# Altium PCB PCB1.PcbDoc (part 1 of 2)
Units mm, origin at the board's own origin, x right, y up, seen from the top; angles counter-clockwise.
Board outline 129.41 x 66.42 mm, 4 copper layers (Top Layer, gnd, pgnd, Bottom Layer), stack 0.603 mm thick; 116 components, 94 nets, 393 pads, 106 vias.
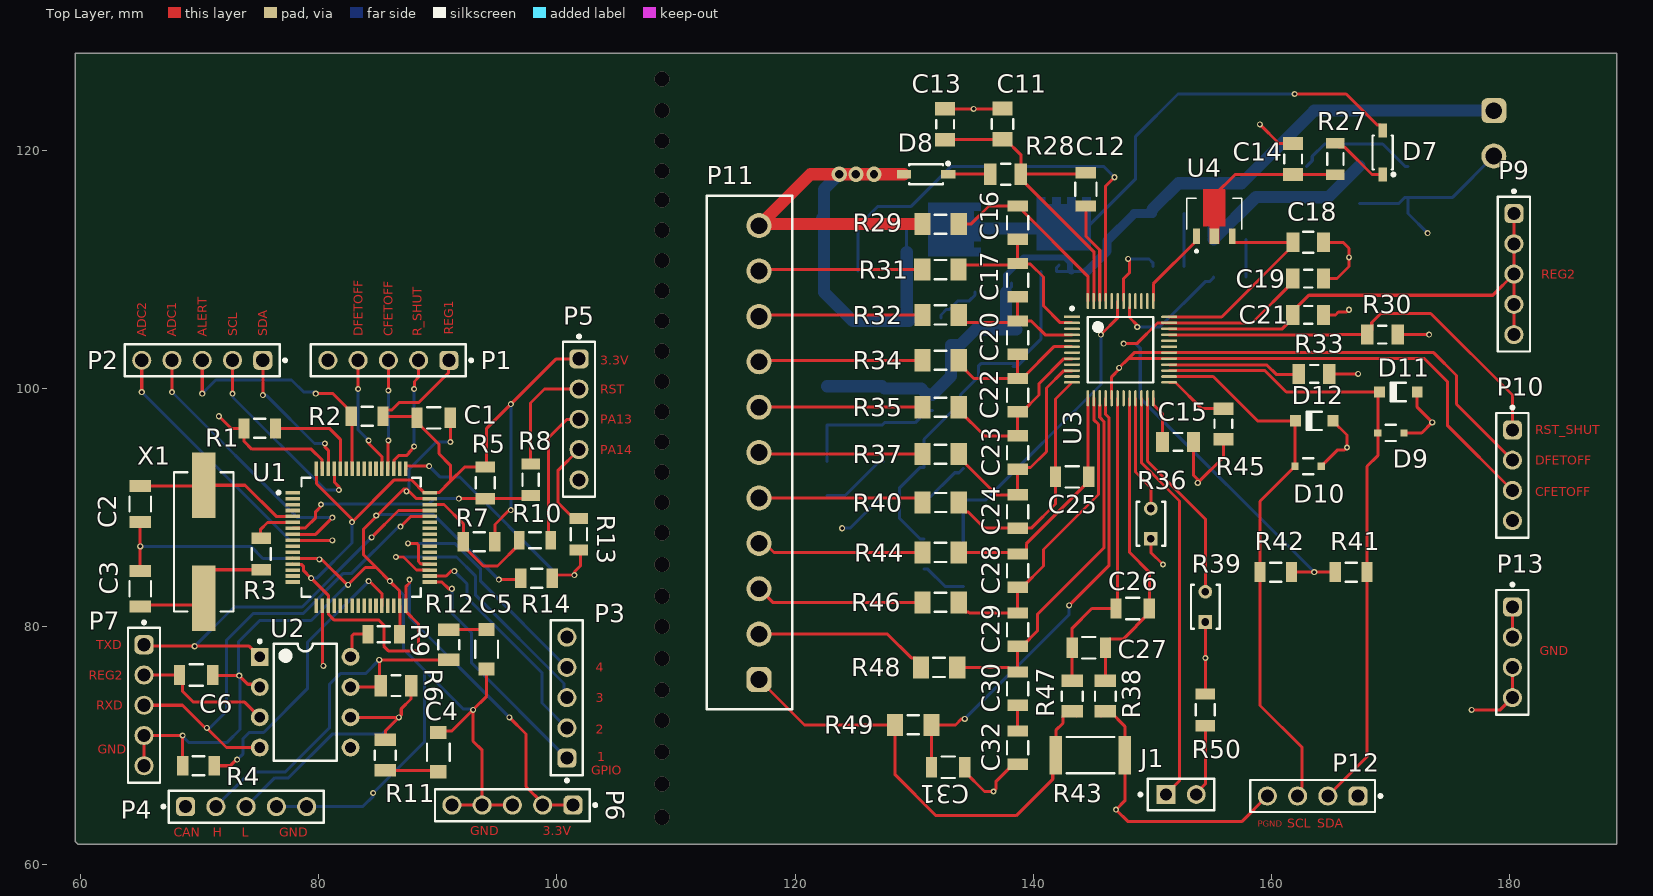
[diagram p0: Top Layer view]
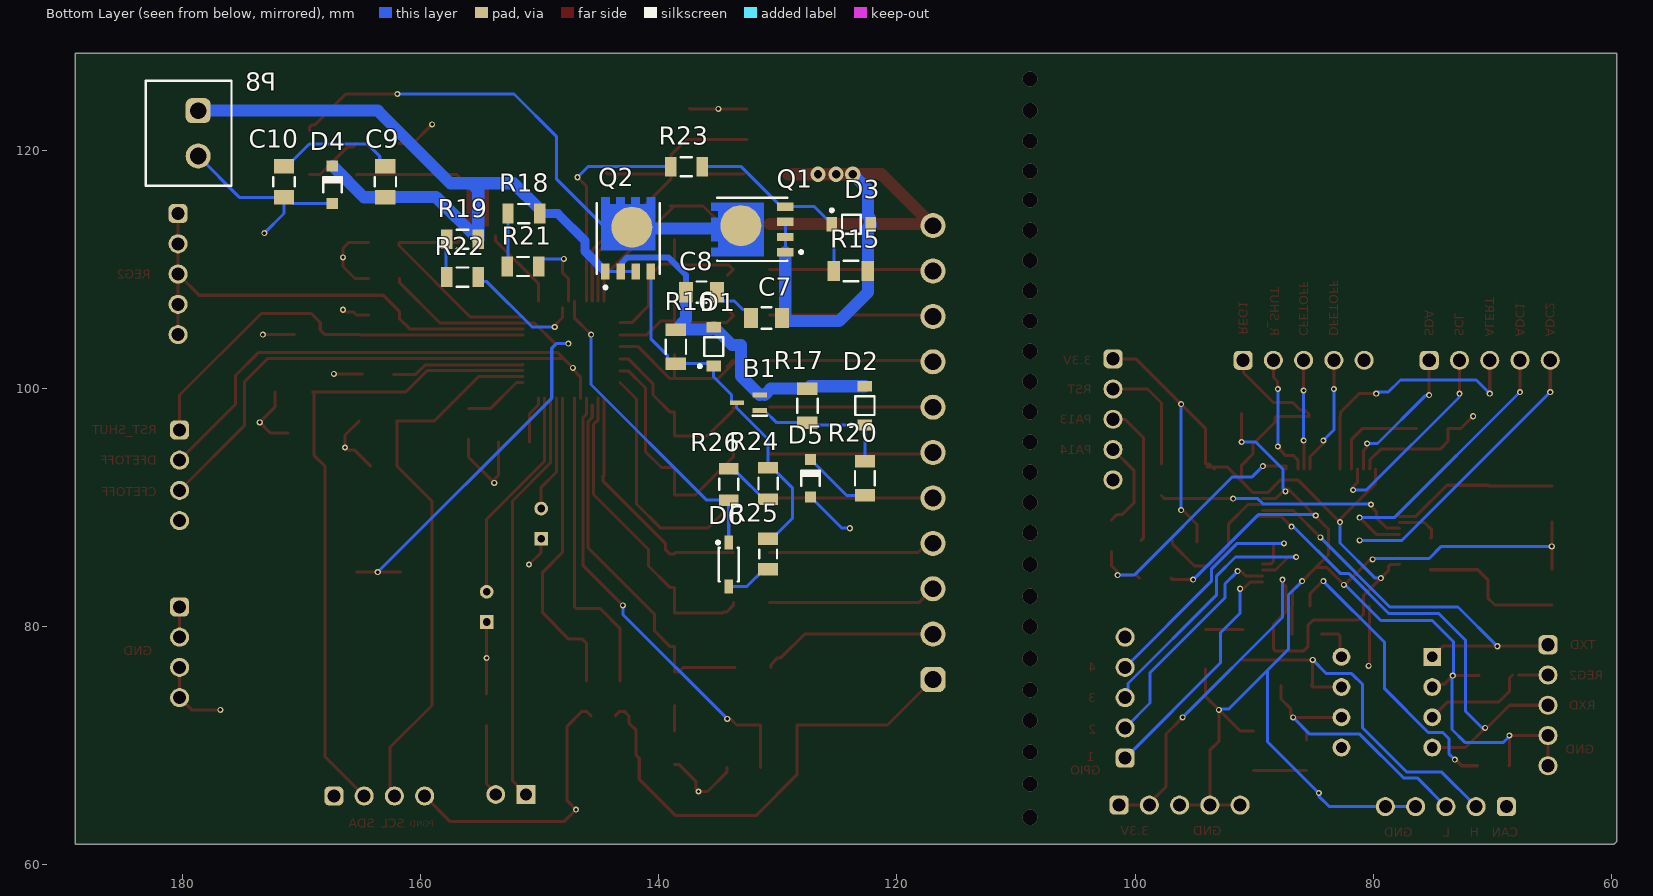
[diagram p1: Bottom Layer view, seen from below]
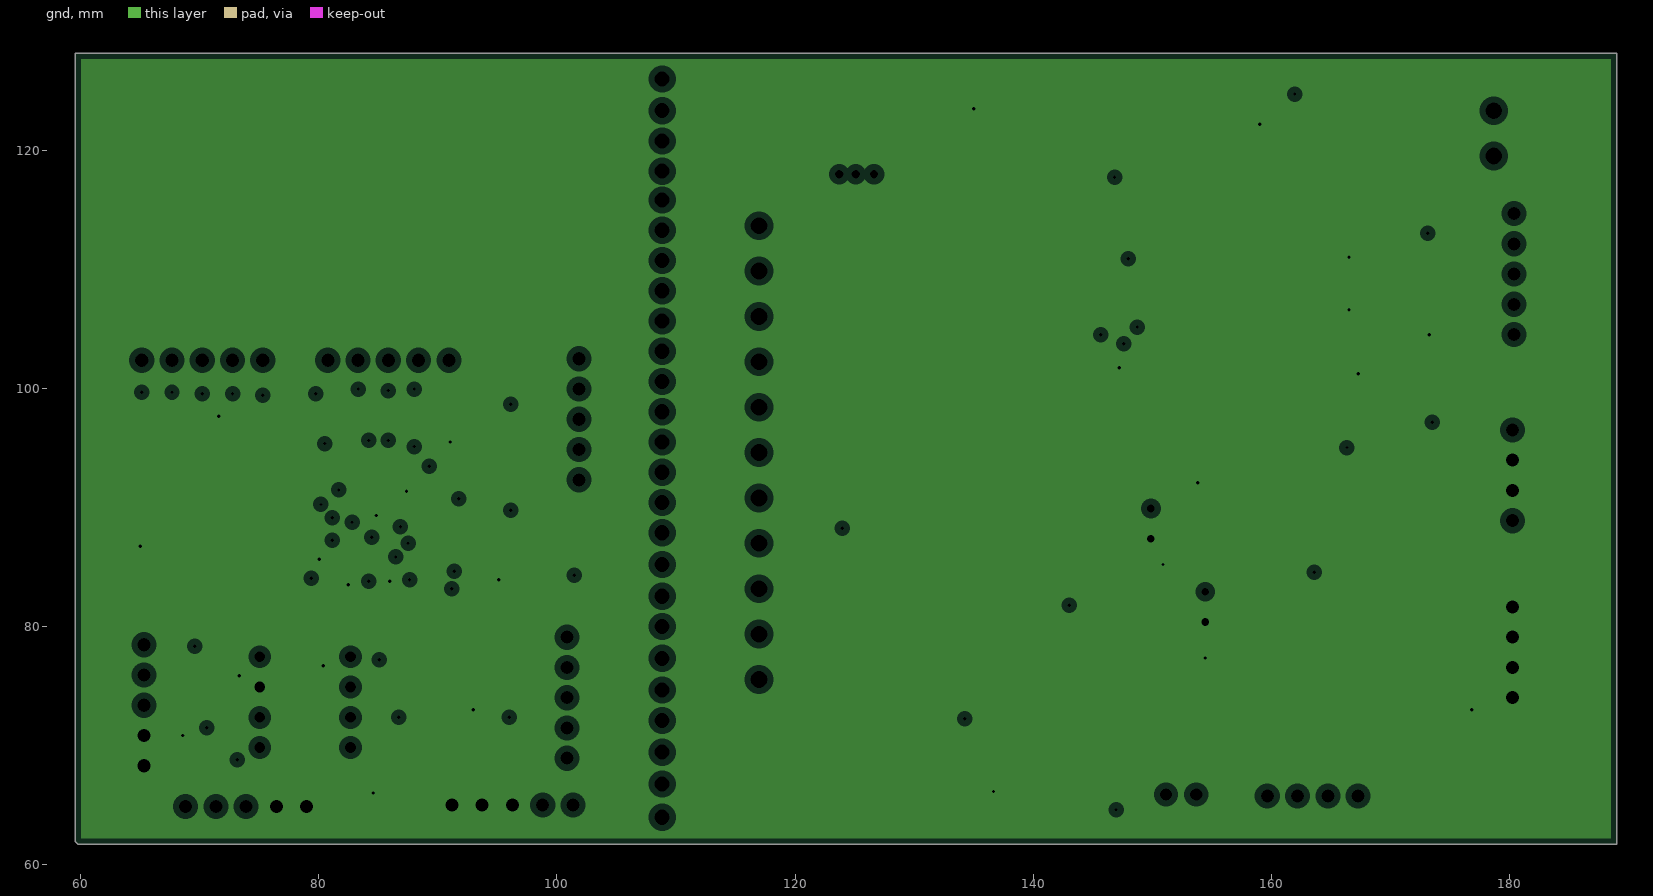
[diagram p2: gnd, clearances drawn from the general rule]
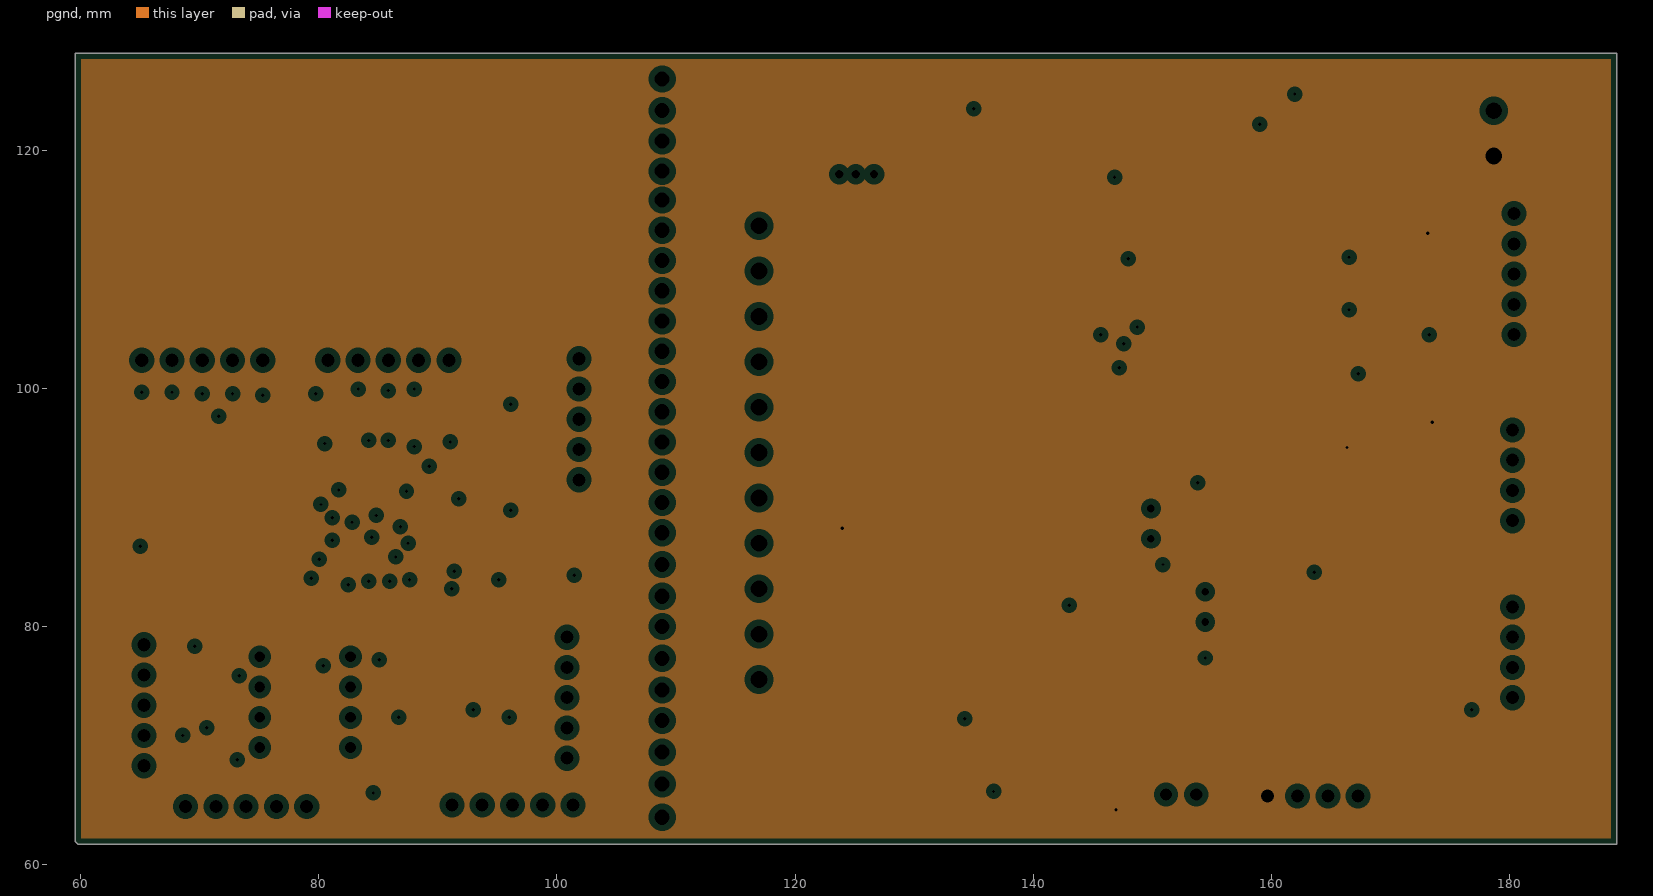
[diagram p3: pgnd, clearances drawn from the general rule]
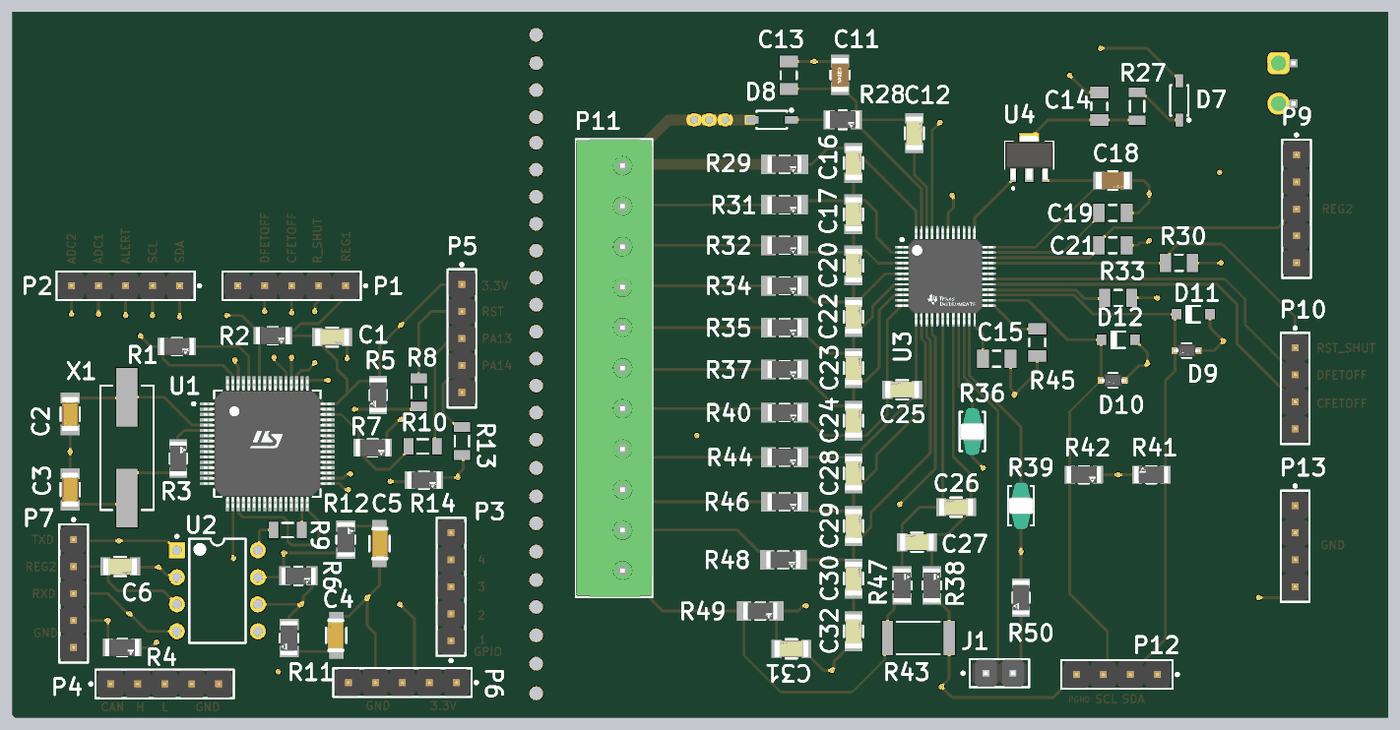
[diagram p5: 3D render of the assembled board from above, using the file's embedded part models]
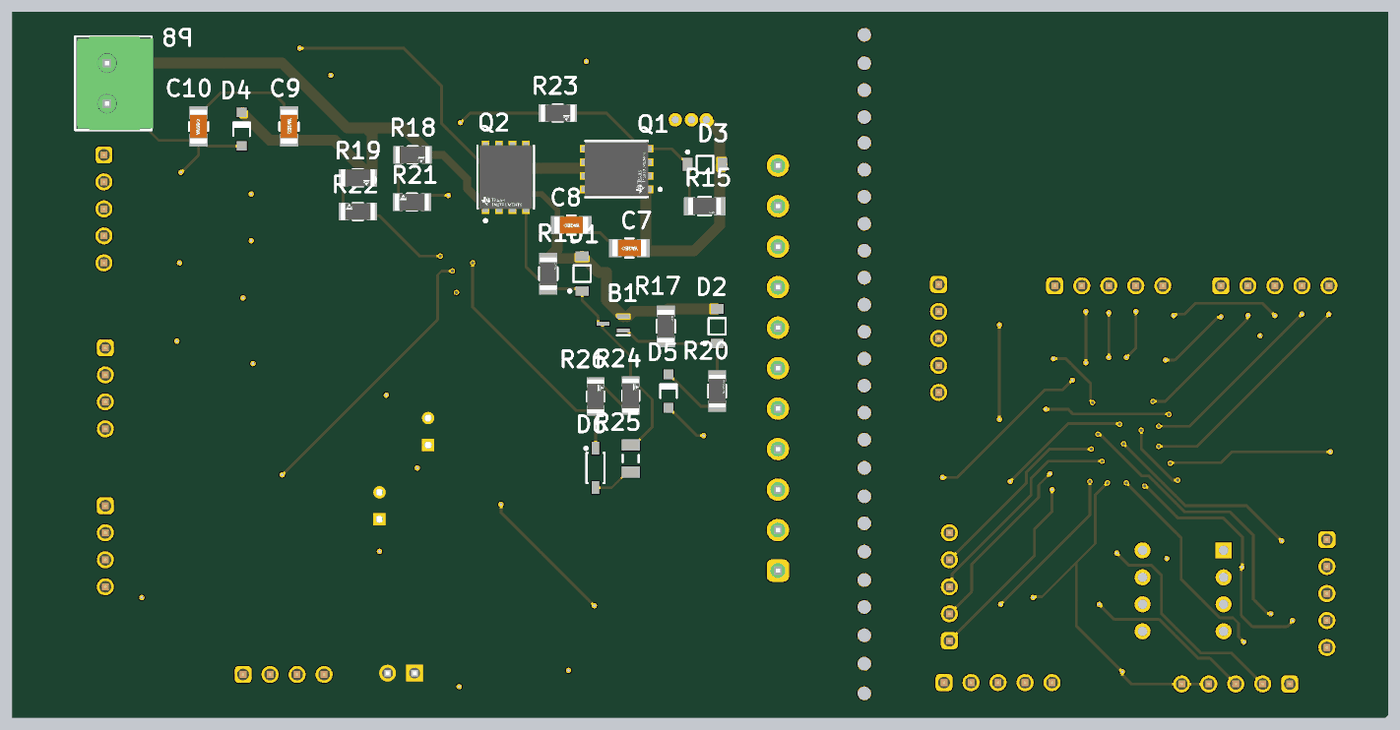
[diagram p6: 3D render of the assembled board from below, using the file's embedded part models]

## Layer stack, top to bottom
Top Solder: solder mask 0.0102, Solder Resist, Dk 3.5
Top Layer: signal copper 0.0356
Dielectric 2: prepreg 0.0711, PP-006, Dk 4.1
gnd: plane copper 0.035, net GND
Dielectric 1: dielectric 0.32, FR-4, Dk 4.8
pgnd: plane copper 0.035, net PGND
Dielectric 3: prepreg 0.0711, PP-006, Dk 4.1
Bottom Layer: signal copper 0.0356
Bottom Solder: solder mask 0.0102, Solder Resist, Dk 3.5

## Board outline
59.817,61.722 59.563,61.976 59.563,128.143 188.976,128.143 188.976,61.722

## Design rules (kind name [scope] priority, off if disabled: settings)
Clearance [All] p1: gap=0.2 ignorepadtopadclearanceinfootprint=FALSE
PlaneClearance [All] p1: clearance=0.508
PlaneConnect [All] p1: planeconnectstyle=Relief reliefexpansion=0.508 reliefentries=4 reliefconductorwidth=0.254 reliefairgap=0.254
PolygonConnect [All] p1: connectstyle=Relief reliefconductorwidth=0.254 reliefentries=4 polygonreliefangle="90 Angle" airgapwidth=0.254
RoutingVias [All] p1: holewidth=0.356 width=0.635 viastyle="Through Hole" minholewidth=0.284 minwidth=0.508 maxholewidth=0.711 maxwidth=1.27
SolderMaskExpansion [All] p1: expansion=0.102 istentingtop=FALSE
SupplyNets "Schematic Supply Nets_1" [InNet('PGND')] p1: voltage=0.000
SupplyNets "Schematic Supply Nets" [InNet('GND')] p2: voltage=0.000
Width [All] p1: maxlimit=1.016 minlimit=0.2 preferedwidth=0.254 bottomlayer_minwidth=0.254 minimp=50.000000 maximp=50.000000 favimp=50.000000
28 further rules are at their usual default settings.

## Classes and differential pairs
component class Sheet1: B1 C7 C8 C9 C10 C11 C12 C13 C14 C15 C16 C17 C18 C19 C20 C21 C22 C23 C24 C25 C26 C27 C28 C29 C30 C31 C32 D1 D2 D3 D4 D5 D6 D7 D8 D9 D10 D11 D12 J1 P8 P9 P10 P11 P12 P13 Q1 Q2 R15 R16 R17 R18 R19 R20 R21 R22 R23 R24 R25 R26 R27 R28 R29 R30 R31 R32 R33 R34 R35 R36 R37 R38 R39 R40 R41 R42 R43 R44 R45 R46 R47 R48 R49 R50 U3 U4
component class Sheet3: C1 C2 C3 C4 C5 C6 P1 P2 P3 P4 P5 P6 P7 R1 R2 R3 R4 R5 R6 R7 R8 R9 R10 R11 R12 R13 R14 U1 U2 X1

## Components (designator, comment, footprint, x,y, rotation, side; value= is the part's Value field where it differs from the comment)
B1 "2N7002KW" SOT65P210X110-3N 132.461,98.806 r0 bottom
C1 "C1206C104K2RACTU" FP-C1206C-EB-MFG 89.659,97.536 r180 top value="0.10 μF"
C2 "CC1206KRX7R9BB103" FP-CC1206-1_25-MFG 65.024,90.297 r270 top value="10 nF"
C3 "CC1206KRX7R9BB103" FP-CC1206-1_25-MFG 65.024,83.185 r90 top value="10 nF"
C4 "CGA5F4C0G2J561J085AA" FP-CGA5L-0_3-0_1-MFG 90.043,69.469 r90 top
C5 "CGA5F4C0G2J561J085AA" FP-CGA5L-0_3-0_1-MFG 94.107,78.106 r270 top
C6 "C1206C104K2RACTU" FP-C1206C-EB-MFG 69.723,75.946 r180 top value="0.10 μF"
C7 "CC1206KKX7R0BB104" FP-CC1206-0_3-1_45-IPC_C 130.937,105.918 r0 bottom
C8 "CC1206KKX7R0BB104" FP-CC1206-0_3-1_45-IPC_C 136.398,108.077 r0 bottom
C9 "CC1206KKX7R0BB104" FP-CC1206-0_3-1_45-IPC_C 162.941,117.348 r270 bottom
C10 "CC1206KKX7R0BB104" FP-CC1206-0_3-1_45-IPC_C 171.45,117.348 r90 bottom
C11 "CC1206KKX7R0BB104" FP-CC1206-0_3-1_45-IPC_C 137.414,122.204 r90 top
C12 "C1206C474K1RACTU" FP-C1206C-EB-MFG 144.399,116.716 r270 top value="0.47 μF"
C13 "C1206C105K5RACTU" CAPC3216X110X50LL20T25 132.588,122.174 r270 top
C14 "C1206C105K5RACTU" CAPC3216X110X50LL20T25 161.798,119.253 r270 top
C15 "C1206C225K5RACTU" CAPC3216X180X50LL20T25 152.146,95.504 r180 top
C16 "C1206C224K3RACTU" FP-C1206C-EB-MFG 138.68,113.917 r270 top value="0.22 μF"
C17 "C1206C224K3RACTU" FP-C1206C-EB-MFG 138.68,109.091 r270 top value="0.22 μF"
C18 "GRM3195C1H223JA01D" FP-GRM319-0_15-IPC_C 163.068,112.268 r0 top
C19 "C1206C105K5RACTU" CAPC3216X110X50LL20T25 163.068,109.22 r180 top
C20 "C1206C224K3RACTU" FP-C1206C-EB-MFG 138.68,104.265 r270 top value="0.22 μF"
C21 "C1206C105K5RACTU" CAPC3216X110X50LL20T25 163.068,106.172 r180 top
C22 "C1206C224K3RACTU" FP-C1206C-EB-MFG 138.684,99.441 r270 top value="0.22 μF"
C23 "C1206C224K3RACTU" FP-C1206C-EB-MFG 138.684,94.618 r270 top value="0.22 μF"
C24 "C1206C224K3RACTU" FP-C1206C-EB-MFG 138.684,89.665 r270 top value="0.22 μF"
C25 "C1206C224K3RACTU" FP-C1206C-EB-MFG 143.256,92.583 r0 top value="0.22 μF"
C26 "C1206C101J5GACTU" FP-C1206C-EB-MFG 148.336,81.534 r0 top value="100 pF"
C27 "C1206C104K2RACTU" FP-C1206C-EB-MFG 144.653,78.232 r0 top value="0.10 μF"
C28 "C1206C224K3RACTU" FP-C1206C-EB-MFG 138.684,84.709 r270 top value="0.22 μF"
C29 "C1206C224K3RACTU" FP-C1206C-EB-MFG 138.684,79.756 r270 top value="0.22 μF"
C30 "C1206C224K3RACTU" FP-C1206C-EB-MFG 138.684,74.803 r270 top value="0.22 μF"
C31 "C1206C224K3RACTU" FP-C1206C-EB-MFG 132.842,68.199 r0 top value="0.22 μF"
C32 "C1206C224K3RACTU" FP-C1206C-EB-MFG 138.684,69.847 r270 top value="0.22 μF"
D1 "MMSZ4703T1G" ONSC-SOD-123-2-425-04_V 135.382,103.505 r90 bottom
D2 "MMSZ4703T1G" ONSC-SOD-123-2-425-04_V 122.682,98.552 r90 bottom
D3 "MMSZ4703T1G" ONSC-SOD-123-2-425-04_V 123.825,113.792 r180 bottom
D4 "1N4148W-7-F" DIOD-SOD123-2_V 167.386,117.094 r90 bottom
D5 "1N4148W-7-F" DIOD-SOD123-2_V 127.254,92.456 r90 bottom
D6 "BAT46W-7-F" DIOD-SOD-123-2_V 134.112,85.217 r90 bottom
D7 "BAT46W-7-F" DIOD-SOD-123-2_V 169.319,119.806 r270 top
D8 "BAT46W-7-F" DIOD-SOD-123-2_V 130.992,117.983 r0 top
D9 "PESD5V0S1BA,115" FP-SOD323-CA-MFG 170.01,96.266 r180 top
D10 "PESD5V0S1BA,115" FP-SOD323-CA-MFG 163.068,93.472 r180 top
D11 "1N4148W-7-F" DIOD-SOD123-2_V 170.637,99.695 r180 top
D12 "1N4148W-7-F" DIOD-SOD123-2_V 163.576,97.282 r180 top
J1 "M20-9990246" FP-M20-9990246-MFG 152.4,65.913 r0 top
P1 "61300511121" 61300511121 85.852,102.362 r180 top
P2 "61300511121" 61300511121 70.231,102.362 r180 top
P3 "61300511121" 61300511121 100.838,74.041 r90 top
P4 "61300511121" 61300511121 73.914,64.897 r0 top
P5 "61300511121" 61300511121 101.854,97.409 r270 top
P6 "61300511121" 61300511121 96.266,65.024 r180 top
P7 "61300511121" 61300511121 65.343,73.406 r270 top
P8 "691321300002" 691321300002 179.451,121.412 r270 bottom
P9 "61300511121" 61300511121 180.34,109.601 r270 top
P10 "61300411121" 61300411121 180.213,92.71 r270 top
P11 "691321300011" 691321300011 116.167,94.615 r90 top
P12 "61300411121" 61300411121 163.449,65.786 r180 top
P13 "61300411121" 61300411121 180.213,77.851 r270 top
Q1 "CSD19532Q5B" FP-DNK0008A-MFG 132.138,113.347 r0 bottom
Q2 "CSD19532Q5B" FP-DNK0008A-MFG 142.558,112.58 r90 bottom
R1 "CRCW120610K0FKEA" FP-CRCW1206-e3-IPC_C 75.057,96.647 r0 top
R2 "CRCW120610K0FKEA" FP-CRCW1206-e3-IPC_C 84.074,97.663 r0 top
R3 "CRCW120610K0FKEA" FP-CRCW1206-e3-IPC_C 75.184,86.106 r90 top
R4 "CRCW120610K0FKEA" FP-CRCW1206-e3-IPC_C 69.921,68.326 r0 top
R5 "CRCW120610K0FKEA" FP-CRCW1206-e3-IPC_C 93.98,92.075 r270 top
R6 "CRCW1206120RFKEA" FP-CRCW1206-e3-MFG 86.487,75.057 r0 top
R7 "CRCW120610K0FKEA" FP-CRCW1206-e3-IPC_C 93.472,87.122 r0 top
R8 "ERJ8ENF33R0V" RESC3216X70X50LL05T20 97.79,92.329 r270 top
R9 "ERJ8ENF4701V" RESC3216X70X50LL05T20 85.471,79.375 r180 top
R10 "ERJ8ENF33R0V" RESC3216X70X50LL05T20 98.171,87.249 r0 top
R11 "CRCW1206100RFKEA" FP-CRCW1206-e3-MFG 85.598,69.215 r270 top
R12 "CRCW1206100RFKEA" FP-CRCW1206-e3-MFG 90.932,78.481 r90 top
R13 "ERJ8ENF33R0V" RESC3216X70X50LL05T20 101.854,87.757 r90 top
R14 "CRCW120610K0FKEA" FP-CRCW1206-e3-IPC_C 98.298,84.074 r0 top
R15 "AT1206BRD07100KL" FP-AT1206-IPC_B 123.855,109.855 r180 bottom
R16 "AT1206BRD07100KL" FP-AT1206-IPC_B 138.557,103.505 r90 bottom
R17 "AT1206BRD07100KL" FP-AT1206-IPC_B 127.508,98.552 r90 bottom
R18 "CRCW12065K10FKEA" FP-CRCW1206-e3-IPC_C 151.313,114.681 r180 bottom
R19 "CRCW12065K10FKEA" FP-CRCW1206-e3-IPC_C 156.464,112.522 r180 bottom
R20 "CR1206-JW-103ELF" FP-CR1206-IPC_B 122.682,92.456 r90 bottom
R21 "CRCW12065K10FKEA" FP-CRCW1206-e3-IPC_C 151.384,110.236 r0 bottom
R22 "CRCW12065K10FKEA" FP-CRCW1206-e3-IPC_C 156.464,109.347 r0 bottom
R23 "CRCW12065K10FKEA" FP-CRCW1206-e3-IPC_C 137.668,118.618 r180 bottom
R24 "CRCW12065K10FKEA" FP-CRCW1206-e3-IPC_C 130.81,92.019 r90 bottom
R25 "CRCW12061K00JNEAHP" RESC3116X65X50LL20T20 130.81,86.101 r90 bottom
R26 "CRCW12065K10FKEA" FP-CRCW1206-e3-IPC_C 134.112,91.948 r90 bottom
R27 "ERJ-8ENF1500V" RESC3216X70X50LL05T20 165.354,119.253 r90 top
R28 "CRCW1206100RFKEA" FP-CRCW1206-e3-MFG 137.668,117.983 r0 top
R29 "CRCW120620R0JNEA" FP-CRCW1206-e3-IPC_A 132.205,113.792 r0 top
R30 "CRCW12061K00JNEAHP" RESC3116X65X50LL20T20 169.291,104.521 r0 top
R31 "CRCW120620R0JNEA" FP-CRCW1206-e3-IPC_A 132.201,109.98 r0 top
R32 "CRCW120620R0JNEA" FP-CRCW1206-e3-IPC_A 132.203,106.17 r0 top
R33 "CRCW12061K00JNEAHP" RESC3116X65X50LL20T20 163.571,101.219 r0 top
R34 "CRCW120620R0JNEA" FP-CRCW1206-e3-IPC_A 132.203,102.36 r0 top
R35 "CRCW120620R0JNEA" FP-CRCW1206-e3-IPC_A 132.207,98.425 r0 top
R36 "103AT-2" FP-103AT-2-MFG 149.86,88.646 r90 top
R37 "CRCW120620R0JNEA" FP-CRCW1206-e3-IPC_A 132.207,94.488 r0 top
R38 "CRCW1206100RFKEA" FP-CRCW1206-e3-MFG 146.05,74.168 r90 top
R39 "103AT-2" FP-103AT-2-MFG 154.432,81.661 r90 top
R40 "CRCW120620R0JNEA" FP-CRCW1206-e3-IPC_A 132.209,90.424 r0 top
R41 "CRCW120610K0FKEA" FP-CRCW1206-e3-IPC_C 166.68,84.582 r180 top
R42 "CRCW120610K0FKEA" FP-CRCW1206-e3-IPC_C 160.345,84.582 r0 top
R43 "Jumper 2512(6432)" RESC2512(6432)_L 144.78,69.215 r0 top value="0.00 Ohm"
R44 "CRCW120620R0JNEA" FP-CRCW1206-e3-IPC_A 132.205,86.233 r0 top
R45 "CRCW12061K00JNEAHP" RESC3116X65X50LL20T20 155.956,97.028 r270 top
R46 "CRCW120620R0JNEA" FP-CRCW1206-e3-IPC_A 132.205,82.042 r0 top
R47 "CRCW1206100RFKEA" FP-CRCW1206-e3-MFG 143.256,74.168 r90 top
R48 "CRCW120620R0JNEA" FP-CRCW1206-e3-IPC_A 132.078,76.581 r0 top
R49 "CRCW120620R0JNEA" FP-CRCW1206-e3-IPC_A 129.921,71.755 r0 top
R50 "CRCW120610K0FKEA" FP-CRCW1206-e3-IPC_C 154.432,73.025 r270 top
U1 "STM32F103RCT6" FP-LQFP64-5W-MFG 83.566,87.503 r0 top
U2 "MCP2551-E/P" PDIP300-P8 78.867,73.66 r0 top
U3 "BQ76942PFBR" FP-PFB0048A-IPC_C 147.32,103.251 r0 top
U4 "FCX495TA" VREG_AP2204RA-3.3TRG1 155.194,114.427 r90 top
X1 "FOXSDLF/160-20" FOX-FOXSDLF160-20_V 70.358,87.122 r90 top

## Footprints (in the part's own frame and the unit in brackets; to place one, negate y for a bottom-side part, rotate by r counter-clockwise, add the part's x,y. Pads: shape width x height; smd on the part's side, far side on the other; paste and mask are expansions set on the pad)
61300411121 [mm] "Pin Header, pitch 2.54 mm, THT, Vertical, single row, 4p"
  rrect50% 1.6x1.6 hole 1.1: 1(-3.81,0)
  round 1.6 hole 1.1: 2(-1.27,0) 3(1.27,0) 4(3.81,0)
  silkscreen extent -5.8,-1.35 5.23,1.35, body extent -5.08,-1.27 5.08,1.27, height 8.57
61300511121 [mm] "Pin Header, pitch 2.54 mm, THT, Vertical, single row, 5p"
  rrect50% 1.6x1.6 hole 1.1: 1(-5.08,0)
  round 1.6 hole 1.1: 2(-2.54,0) 3(0,0) 4(2.54,0) 5(5.08,0)
  silkscreen extent -7.07,-1.35 6.5,1.35, body extent -6.35,-1.27 6.35,1.27, height 8.57
691321300002 [mm] "Vertical PCB Header, pitch 3.81mm, 02p"
  rrect50% 2.1x2.1 hole 1.4: 1(-1.905,0.8)
  round 2.1 hole 1.4: 2(1.905,0.8)
  silkscreen extent -4.4,-3.6 4.41,3.6, body extent -4.4,-3.4 4.41,3.8, height 9.25
691321300011 [mm] "Vertical PCB Header, pitch 3.81mm, 11p"
  rrect50% 2.1x2.1 hole 1.4: 1(-19.05,-0.8)
  round 2.1 hole 1.4: 2(-15.24,-0.8) 3(-11.43,-0.8) 4(-7.62,-0.8) 5(-3.81,-0.8) 6(0,-0.8) 7(3.81,-0.8) 8(7.62,-0.8) 9(11.43,-0.8) 10(15.24,-0.8) 11(19.05,-0.8)
  silkscreen extent -21.55,-3.6 21.55,3.6, body extent -21.55,-3.6 21.55,3.6, height 9.25
CAPC3216X110X50LL20T25 [mm] "Chip Capacitor, 2-Leads, Body 3.20x1.60mm, IPC High Density"
  rect 1.1x1.7 smd: 1(-1.3,0) 2(1.3,0)
  silkscreen extent -0.35,-0.75 0.35,0.75, body extent -1.7,-0.9 1.7,0.9, height 1.1
CAPC3216X180X50LL20T25 [mm] "Chip Capacitor, 2-Leads, Body 3.20x1.60mm, IPC High Density"
  rect 1.1x1.7 smd: 1(-1.3,0) 2(1.3,0)
  silkscreen extent -0.35,-0.75 0.35,0.75, body extent -1.7,-0.9 1.7,0.9, height 1.8
DIOD-SOD123-2_V [mm] "SOD123, 2-Leads, Body 2.7x1.55mm, Height 1.45mm"
  rect 0.9x0.95 smd: 1(-1.575,0) 2(1.575,0)
  silkscreen extent -0.64,-0.83 0.64,0.77, body extent -1.35,-0.77 1.35,0.77, height 1.45
DIOD-SOD-123-2_V [mm] "SOD-123, 2-Leads, Body 2.85x1.7mm (max), Pitch 3.7mm"
  rect 1.2x0.7 smd: 1(-1.85,0) 2(1.85,0)
  silkscreen extent -1.43,-0.85 1.97,1.03, body extent -1.42,-0.85 1.43,0.85, height 1.45
FOX-FOXSDLF160-20_V [mm] "SMD, 2-Leads, Body 5x11.7mm, Height 4.5mm"
  rect 5.5x2 smd: 1(-4.75,0) 2(4.75,0)
  silkscreen extent -5.85,-2.5 5.85,2.5, body extent -5.85,-2.5 5.85,2.5, height 4.5
FP-103AT-2-MFG [mm]
  rect 1.15x1.15 hole 0.65 paste-2539.97 mask+0: 1(-1.27,0)
  round 1.15 hole 0.65 paste-2539.97 mask+0: 2(1.27,0)
  silkscreen extent -1.85,-1.2 1.85,1.2, body extent -1.95,-1.3 1.95,1.3, height 0.25
FP-AT1206-IPC_B [mm]
  rect 1.058x1.712 smd paste+0 mask+0: 1(-1.427,0) 2(1.427,0)
  silkscreen extent -0.6,-0.86 0.6,0.86, body extent -1.55,-0.8 1.55,0.8, height 0.65
FP-C1206C-EB-MFG [mm]
  rect 0.95x1.7 smd paste+0 mask+0: 1(-1.4,0) 2(1.4,0)
  silkscreen extent -0.55,-0.9 0.55,0.9, body extent -2,-1 2,1, height 0.25
FP-CC1206-0_3-1_45-IPC_C [mm]
  rect 1.203x1.706 smd paste+0 mask+0: 1(-1.3,0) 2(1.3,0)
  silkscreen extent -0.4,-0.9 0.4,0.9, body extent -1.6,-0.8 1.6,0.8, height 1.45